# Altium PCB STM32.PcbDoc (part 1 of 2)
Units mil, origin at the board's own origin, x right, y up, seen from the top; angles counter-clockwise.
Board outline 4960.63 x 3937.01 mil, 2 copper layers (Top Layer, Bottom Layer); 105 components, 116 nets, 528 pads, 83 vias.
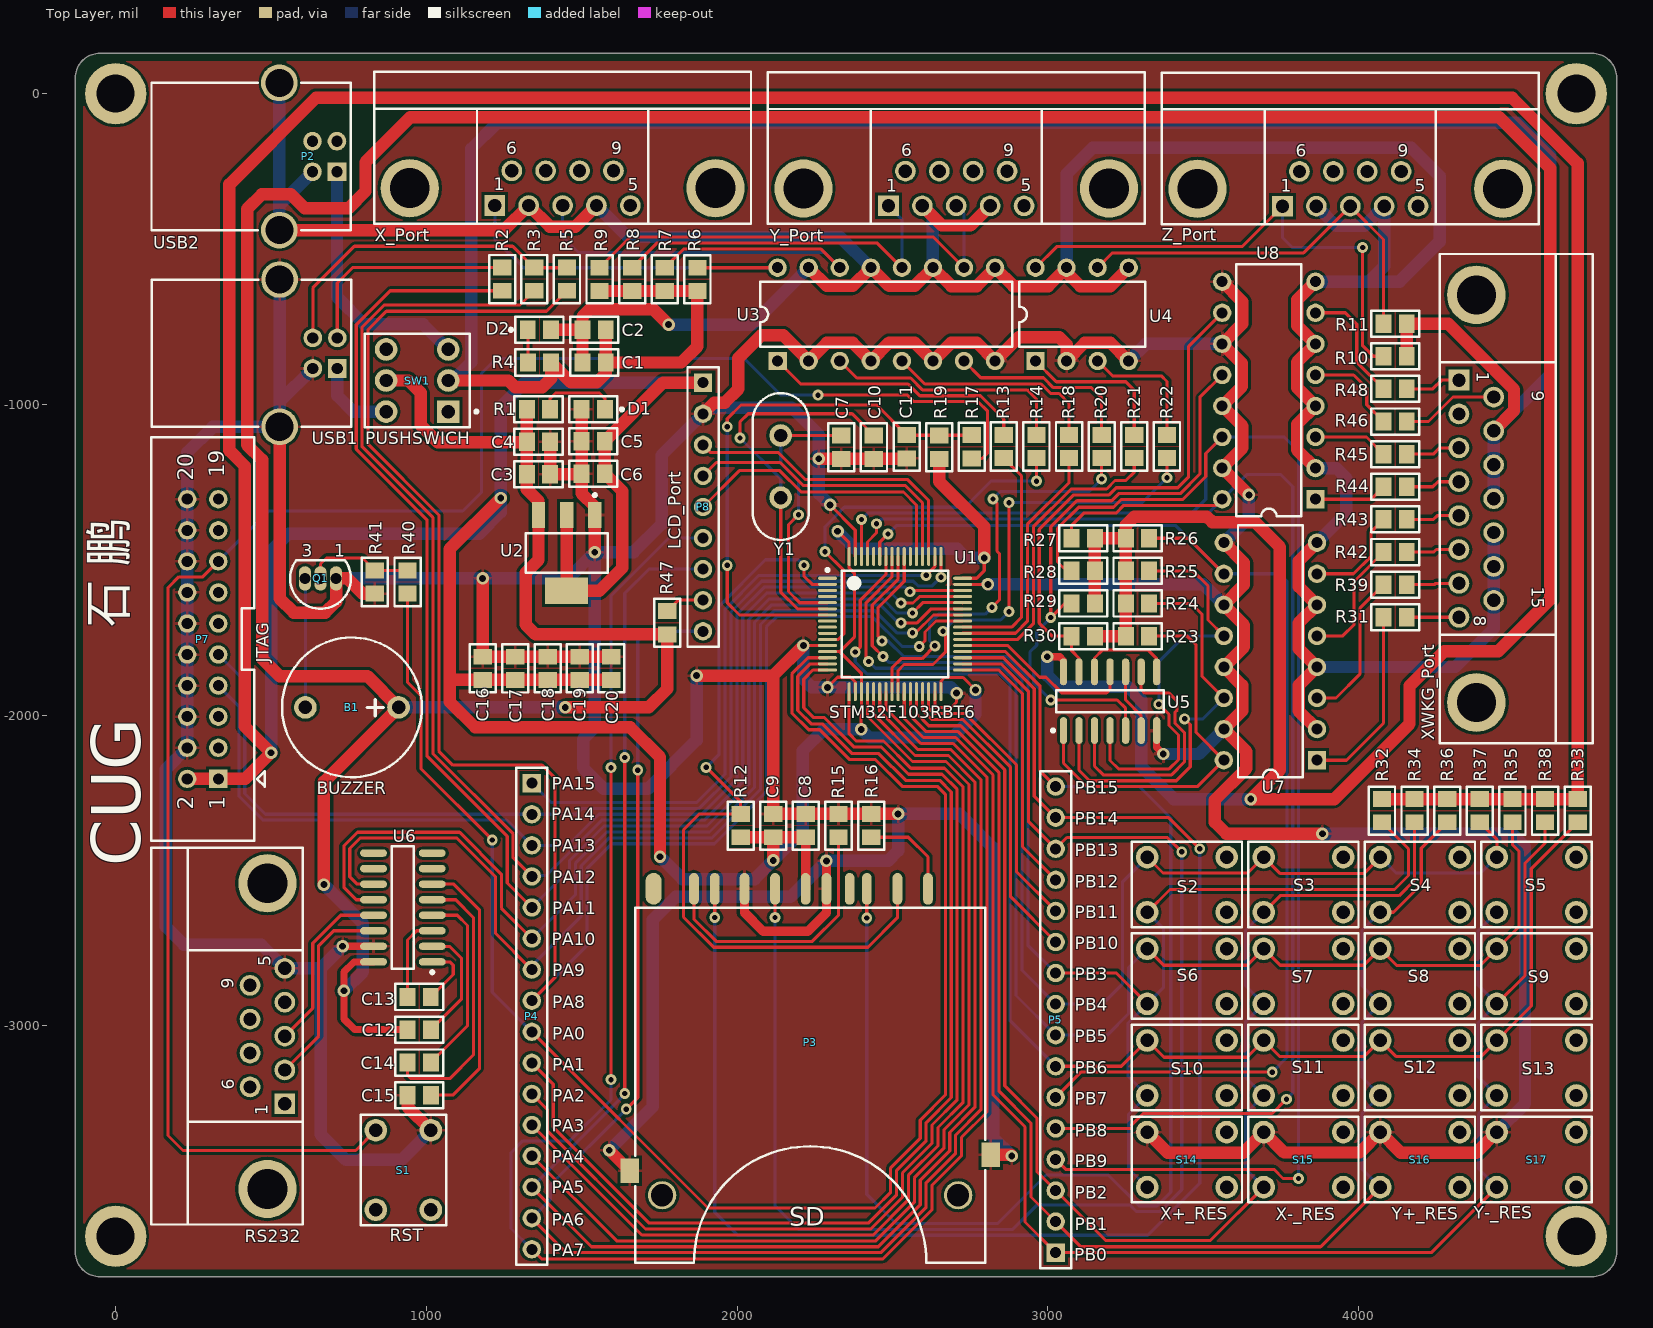
[diagram p0: Top Layer view]
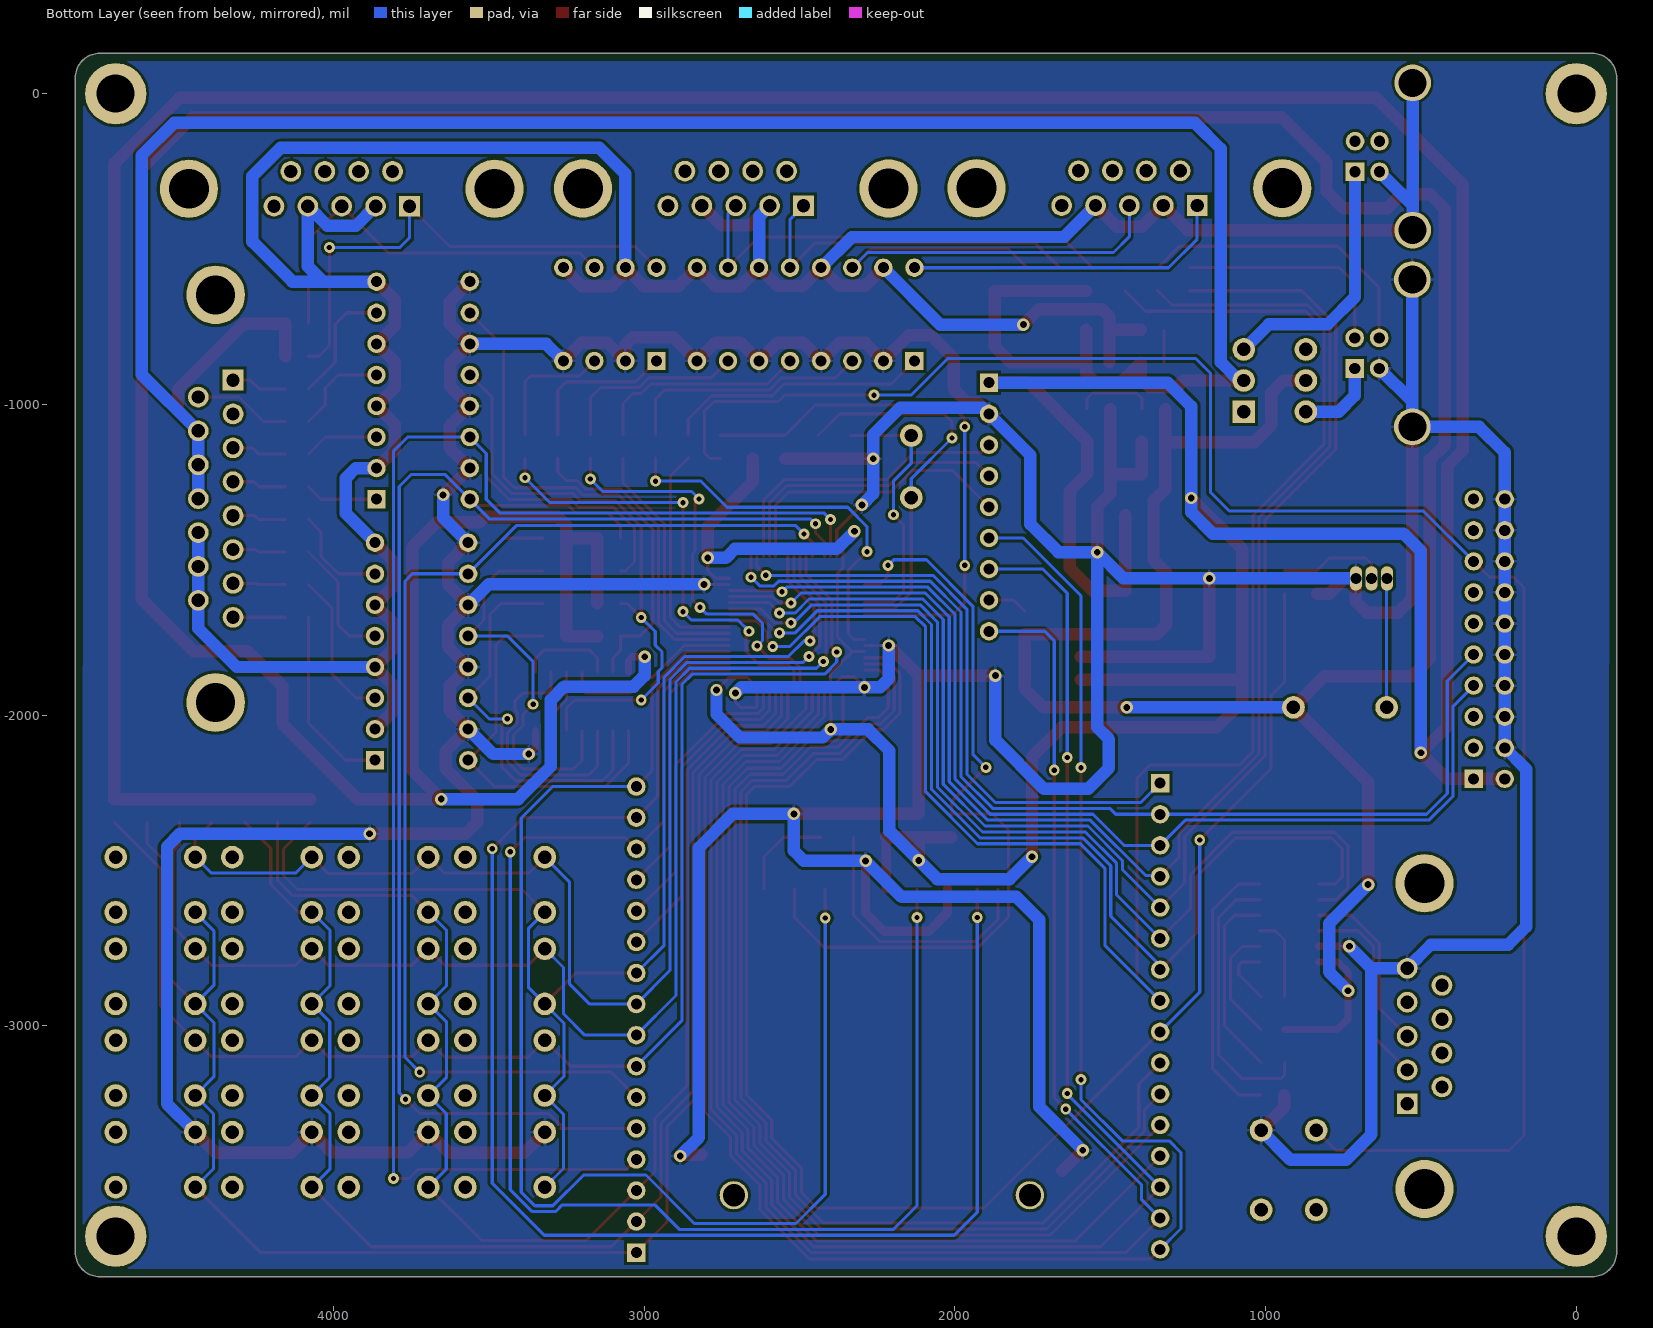
[diagram p1: Bottom Layer view, seen from below]

## Layer stack, top to bottom
Top Layer: signal copper 1.4
Dielectric: dielectric 12.6, FR-4, Dk 4.8
Bottom Layer: signal copper 1.4

## Board outline
-129.92,-3728.35 ccw(c-51.18,-3728.35) -51.18,-3807.09 4751.97,-3807.09 ccw(c4751.97,-3728.35) 4830.71,-3728.35 4830.71,51.18 ccw(c4751.97,51.18) 4751.97,129.92 -51.18,129.92 ccw(c-51.18,51.18) -129.92,51.18

## Design rules (kind name [scope] priority, off if disabled: settings)
Clearance Clearance_STM [(InComponent('U1'))] p1: gap=5
Clearance Clearance_Usual [All] p2: gap=9
ComponentClearance [All] p1: gap=10 collisioncheckmode=3 verticalgap=10
HoleSize [All] p1: absolutevalues=TRUE maxlimit=200 minlimit=1 maxpercent=80.000 minpercent=20.000
PolygonConnect [All] p1: connectstyle=Relief reliefconductorwidth=10 reliefentries=4 polygonreliefangle="90 Angle"
RoutingVias RoutingVias_Mechanical [InNet('No Net')] p1: holewidth=122.05 width=196.85 viastyle="Through Hole" minholewidth=122.05 minwidth=196.85 maxholewidth=122.05 maxwidth=196.85
RoutingVias RoutingVias_Power [InNetClass('Power')] p2: holewidth=22 width=40 viastyle="Through Hole" minholewidth=22 minwidth=40 maxholewidth=22 maxwidth=40
RoutingVias RoutingVias_Usual [All] p3: holewidth=17 width=35 viastyle="Through Hole" minholewidth=17 minwidth=35 maxholewidth=17 maxwidth=35
SolderMaskExpansion [All] p1: expansion=4
TestPointUsage FabricationTestPointUsage [All] p1: valid=0 allowmultiple=FALSE
Testpoint FabricationTestpoint [All] p1: side=3 testpointundercomponent=TRUE minsize=40 maxsize=100 preferedsize=60 minholesize=0 maxholesize=40 preferedholesize=32 testpointgrid=1 style=297 order=0-112345678
Width Width_USB1 [InNet('USB1')] p1: maxlimit=40 minlimit=40 preferedwidth=40
Width Width_USB2 [InNet('USB2')] p2: maxlimit=40 minlimit=40 preferedwidth=40
17 further rules are at their usual default settings.

## Classes and differential pairs
net class Power: 3.3V GND1 GND2 VCC1 VCC2

## Components (designator, comment, footprint, x,y, rotation, side; value= is the part's Value field where it differs from the comment)
B1 "BUZZER" BUZZER 910.26,-1975.08 r180 top
C1 "Cap" 0805 1502.26,-865.08 r0 top
C2 "Cap" 0805 1502.26,-760.08 r0 top
C3 "Cap" 0805 1398.26,-1225.08 r180 top
C4 "Cap" 0805 1398.26,-1120.08 r180 top
C5 "Cap" 0805 1499.26,-1118.08 r0 top
C6 "Cap" 0805 1499.26,-1223.08 r0 top
C7 "Cap" 0805 2335.26,-1175.08 r90 top
C8 "Cap" 0805 2221.26,-2318.08 r270 top
C9 "Cap" 0805 2116.26,-2318.08 r270 top
C10 "Cap" 0805 2440.26,-1175.08 r90 top
C11 "Cap" 0805 2546.26,-1173.88 r90 top
C12 "Cap" 0805 1014.26,-3012.08 r180 top
C13 "Cap" 0805 939.26,-2907.08 r0 top
C14 "Cap" 0805 1014.26,-3118.08 r180 top
C15 "Cap" 0805 1014.26,-3223.08 r180 top
C16 "Cap" 0805 1181,-1812 r270 top
C17 "Cap" 0805 1286,-1812.2 r270 top
C18 "Cap" 0805 1391,-1812 r270 top
C19 "Cap" 0805 1493,-1812 r270 top
C20 "Cap" 0805 1595,-1812 r270 top
D1 "LED0" 0805 1574.26,-1015.08 r180 top
D2 "LED0" 0805 1326.26,-760.08 r0 top
P2 "USB2" USB 115.26,34.92 r90 top
P3 "SD_CARD" SD_CARD 2614.26,-2559.08 r0 top
P4 "PA接口" HDR1X16 1339.26,-2219.08 r270 top
P5 "PB接口" HDR1X16 3025.26,-3730.08 r90 top
P7 "JTAG" JTAG 330.26,-2205.08 r90 top
P8 "LCD_Port" HDR1X9 1890.26,-930.08 r270 top
Q1 "2N3904" TO-92A 659.26,-1560.08 r90 top
R1 "" 0805 1323.26,-1015.08 r0 top
R2 "" 0805 1244.26,-634.08 r90 top
R3 "" 0805 1347.26,-634.08 r90 top
R4 "" 0805 1401.26,-865.08 r180 top
R5 "" 0805 1452.26,-634.08 r90 top
R6 "" 0805 1872.26,-634.88 r90 top
R7 "" 0805 1767.26,-634.88 r90 top
R8 "" 0805 1662.26,-634.88 r90 top
R9 "" 0805 1557.26,-634.88 r90 top
R10 "" 0805 4155.26,-845.08 r180 top
R11 "" 0805 4155.26,-740.08 r180 top
R12 "" 0805 2011.26,-2318.08 r270 top
R13 "" 0805 2858.26,-1098.08 r270 top
R14 "" 0805 2963.26,-1098.08 r270 top
R15 "" 0805 2326.26,-2318.08 r270 top
R16 "" 0805 2431.26,-2318.08 r270 top
R17 "" 0805 2755.26,-1099.08 r270 top
R18 "" 0805 3068.26,-1098.08 r270 top
R19 "" 0805 2650.26,-1175.08 r90 top
R20 "" 0805 3173.26,-1098.08 r270 top
R21 "" 0805 3278.26,-1098.08 r270 top
R22 "" 0805 3383.26,-1098.08 r270 top
R23 "" 0805 3251.26,-1745.65 r0 top
R24 "" 0805 3251.26,-1640.65 r0 top
R25 "" 0805 3251.26,-1535.65 r0 top
R26 "" 0805 3251.26,-1430.65 r0 top
R27 "" 0805 3151.26,-1430.65 r180 top
R28 "" 0805 3151.26,-1535.65 r180 top
R29 "" 0805 3151.26,-1640.65 r180 top
R30 "" 0805 3151.26,-1745.65 r180 top
R31 "" 0805 4080.46,-1685.08 r0 top
R32 "" 0805 4075.26,-2270.08 r270 top
R33 "" 0805 4705.26,-2270.08 r270 top
R34 "" 0805 4180.26,-2270.08 r270 top
R35 "" 0805 4495.26,-2270.08 r270 top
R36 "" 0805 4285.26,-2270.08 r270 top
R37 "" 0805 4390.26,-2270.08 r270 top
R38 "" 0805 4600.26,-2270.08 r270 top
R39 "" 0805 4080.46,-1580.08 r0 top
R40 "" 0805 939.26,-1609.08 r90 top
R41 "" 0805 834.26,-1609.08 r90 top
R42 "" 0805 4080.46,-1475.08 r0 top
R43 "" 0805 4080.46,-1370.08 r0 top
R44 "" 0805 4080.46,-1265.08 r0 top
R45 "" 0805 4080.46,-1160.08 r0 top
R46 "" 0805 4080.26,-1055.08 r0 top
R47 "" 0805 1775.26,-1740.08 r90 top
R48 "" 0805 4080.26,-950.08 r0 top
S1 "RST" SW-PB 1014.26,-3336.08 r270 top
S2 "SW-PB" SW-PB 3319.8,-2457.09 r0 top
S3 "SW-PB" SW-PB 3694.8,-2457.09 r0 top
S4 "SW-PB" SW-PB 4069.8,-2457.09 r0 top
S5 "SW-PB" SW-PB 4444.8,-2457.09 r0 top
S6 "SW-PB" SW-PB 3319.8,-2752.09 r0 top
S7 "SW-PB" SW-PB 3694.8,-2752.09 r0 top
S8 "SW-PB" SW-PB 4069.8,-2752.09 r0 top
S9 "SW-PB" SW-PB 4444.8,-2752.09 r0 top
S10 "SW-PB" SW-PB 3319.8,-3047.09 r0 top
S11 "SW-PB" SW-PB 3694.8,-3047.09 r0 top
S12 "SW-PB" SW-PB 4069.8,-3047.09 r0 top
S13 "SW-PB" SW-PB 4444.8,-3047.09 r0 top
S14 "X+_RES" SW-PB 3319.8,-3342.09 r0 top
S15 "X-_RES" SW-PB 3694.8,-3342.09 r0 top
S16 "Y+_RES" SW-PB 4069.8,-3342.09 r0 top
S17 "Y-_RES" SW-PB 4444.8,-3342.09 r0 top
SW1 "PUSHSWICH" DPDT-6 970.26,-923.08 r180 top
U1 "STM32F103RBT6" LQFP64_L 2508.26,-1707.08 r0 top
U2 "AMS1117-3.3" SOT223 1451.26,-1478.08 r180 top
U3 "TLP521-4" DIP-16 2480.26,-710.08 r0 top
U4 "TLP521-2" DIP-8 3110.26,-710.08 r0 top
U5 "SN74LS08D" D014_N 3200.26,-1955.08 r90 top
U6 "MAX232ACSE" NSO16_N 924.26,-2619.08 r180 top
U7 "TLP521-4" DIP-16 3716.26,-1795.08 r90 top
U8 "TLP521-4" DIP-16 3711.26,-955.08 r90 top
Y1 "XTAL" JZ 2140.26,-1100.08 r270 top

## Footprints (in the part's own frame and the unit in brackets; to place one, negate y for a bottom-side part, rotate by r counter-clockwise, add the part's x,y. Pads: shape width x height; smd on the part's side, far side on the other; paste and mask are expansions set on the pad)
0805 [mm]
  rect 1.3x1.5 smd: 1(0,0) 2(1.9,0)
  silkscreen extent -1.02,-1.07 2.92,1.07
BUZZER [mm]
  round 1.85 hole 1.1: 1(0,0) 2(7.62,0)
  silkscreen extent -1.91,-5.71 9.52,5.71
D014_N [mm]
  oval 2.2x0.6 smd: 1(-2.4,3.81) 2(-2.4,2.54) 3(-2.4,1.27) 4(-2.4,0) 5(-2.4,-1.27) 6(-2.4,-2.54) 7(-2.4,-3.81) 8(2.4,-3.81) 9(2.4,-2.54) 10(2.4,-1.27) 11(2.4,0) 12(2.4,1.27) 13(2.4,2.54) 14(2.4,3.81)
  silkscreen extent -2.52,-4.4 0.9,4.78
DIP-8 [mm] "DIP; 8 Leads; Row Spacing 7.62 mm; Pitch 2.54 mm"
  rect 1.5x1.5 hole 0.9: 1(-3.81,-3.81)
  round 1.5 hole 0.9: 2(-1.27,-3.81) 3(1.27,-3.81) 4(3.81,-3.81) 5(3.81,3.81) 6(1.27,3.81) 7(-1.27,3.81) 8(-3.81,3.81)
  silkscreen extent -5.15,-2.65 5.15,2.65
DIP-16 [mm] "DIP; 16 Leads; Row Spacing 7.62 mm; Pitch 2.54 mm"
  rect 1.5x1.5 hole 0.9: 1(-8.89,-3.81)
  round 1.5 hole 0.9: 2(-6.35,-3.81) 3(-3.81,-3.81) 4(-1.27,-3.81) 5(1.27,-3.81) 6(3.81,-3.81) 7(6.35,-3.81) 8(8.89,-3.81) 9(8.89,3.81) 10(6.35,3.81) 11(3.81,3.81) 12(1.27,3.81) 13(-1.27,3.81) 14(-3.81,3.81) 15(-6.35,3.81) 16(-8.89,3.81)
  silkscreen extent -10.3,-2.65 10.3,2.65
DPDT-6 [mm]
  rect 1.85x1.85 hole 1.1: 1(-2.54,2.54)
  round 1.85 hole 1.1: 2(-2.54,0) 3(-2.54,-2.54) 4(2.54,-2.54) 5(2.54,0) 6(2.54,2.54)
  silkscreen extent -4.96,-3.81 4.28,3.81
HDR1X9 [mm] "Connector; Header; 9 Position"
  rect 1.5x1.5 hole 0.9: 1(0,0)
  round 1.5 hole 0.9: 2(2.54,0) 3(5.08,0) 4(7.62,0) 5(10.16,0) 6(12.7,0) 7(15.24,0) 8(17.78,0) 9(20.32,0)
  silkscreen extent -1.27,-1.27 21.59,1.27
HDR1X16 [mm] "Connector; Header; 16 Position"
  rect 1.5x1.5 hole 0.9: 1(0,0)
  round 1.5 hole 0.9: 2(2.54,0) 3(5.08,0) 4(7.62,0) 5(10.16,0) 6(12.7,0) 7(15.24,0) 8(17.78,0) 9(20.32,0) 10(22.86,0) 11(25.4,0) 12(27.94,0) 13(30.48,0) 14(33.02,0) 15(35.56,0) 16(38.1,0)
  silkscreen extent -1.27,-1.27 39.37,1.27
JTAG [mm]
  rect 1.5x1.5 hole 0.9: 1(0,0)
  round 1.5 hole 0.9: 2(0,2.54) 3(2.54,0) 4(2.54,2.54) 5(5.08,0) 6(5.08,2.54) 7(7.62,0) 8(7.62,2.54) 9(10.16,0) 10(10.16,2.54) 11(12.7,0) 12(12.7,2.54) 13(15.24,0) 14(15.24,2.54) 15(17.78,0) 16(17.78,2.54) 17(20.32,0) 18(20.32,2.54) 19(22.86,0) 20(22.86,2.54)
  silkscreen extent -5.07,-3.81 27.93,5.47
JZ [mm]
  round 1.85 hole 1.1: 1(0,0) 2(5.08,0)
  silkscreen extent -3.46,-2.3 8.54,2.3
LQFP64_L [mm]
  oval 1.55x0.25 smd: 1(-5.525,3.75) 2(-5.525,3.25) 3(-5.525,2.75) 4(-5.525,2.25) 5(-5.525,1.75) 6(-5.525,1.25) 7(-5.525,0.75) 8(-5.525,0.25) 9(-5.525,-0.25) 10(-5.525,-0.75) 11(-5.525,-1.25) 12(-5.525,-1.75) 13(-5.525,-2.25) 14(-5.525,-2.75) 15(-5.525,-3.25) 16(-5.525,-3.75) 33(5.525,-3.75) 34(5.525,-3.25) 35(5.525,-2.75) 36(5.525,-2.25) 37(5.525,-1.75) 38(5.525,-1.25) 39(5.525,-0.75) 40(5.525,-0.25) 41(5.525,0.25) 42(5.525,0.75) 43(5.525,1.25) 44(5.525,1.75) 45(5.525,2.25) 46(5.525,2.75) 47(5.525,3.25) 48(5.525,3.75)
  oval 0.25x1.55 smd: 17(-3.75,-5.525) 18(-3.25,-5.525) 19(-2.75,-5.525) 20(-2.25,-5.525) 21(-1.75,-5.525) 22(-1.25,-5.525) 23(-0.75,-5.525) 24(-0.25,-5.525) 25(0.25,-5.525) 26(0.75,-5.525) 27(1.25,-5.525) 28(1.75,-5.525) 29(2.25,-5.525) 30(2.75,-5.525) 31(3.25,-5.525) 32(3.75,-5.525) 49(3.75,5.525) 50(3.25,5.525) 51(2.75,5.525) 52(2.25,5.525) 53(1.75,5.525) 54(1.25,5.525) 55(0.75,5.525) 56(0.25,5.525) 57(-0.25,5.525) 58(-0.75,5.525) 59(-1.25,5.525) 60(-1.75,5.525) 61(-2.25,5.525) 62(-2.75,5.525) 63(-3.25,5.525) 64(-3.75,5.525)
  silkscreen extent -5.65,-4.35 4.35,4.55
NSO16_N [mm]
  oval 2.2x0.6 smd: 1(-2.4,4.445) 2(-2.4,3.175) 3(-2.4,1.905) 4(-2.4,0.635) 5(-2.4,-0.635) 6(-2.4,-1.905) 7(-2.4,-3.175) 8(-2.4,-4.445) 9(2.4,-4.445) 10(2.4,-3.175) 11(2.4,-1.905) 12(2.4,-0.635) 13(2.4,0.635) 14(2.4,1.905) 15(2.4,3.175) 16(2.4,4.445)
  silkscreen extent -2.53,-5 0.9,5.42
SD_CARD [mm]
  oval 0.8x2.6 smd: 1(0,0) 2(-2.5,0) 3(-5,0) 4(-6.4,0) 5(-8.3,0) 6(-10,0) 7(-12.5,0) 8(-15,0) 9(-17.43,0) 10(-19.13,0)
  oval 1.3x2.6 smd: 11(-22.43,0)
  rect 1.5x2 smd: 12(-24.38,-23.048) 13(5.12,-21.748)
  round 2.308 hole 1.8: 14(-21.73,-25.048) 15(2.47,-25.048)
  silkscreen extent -23.93,-30.55 4.67,-1.55
SOT223 [mm]
  rect 1.1x2.15 smd: 1(-2.3,-3.1) 2(0,-3.1) 3(2.3,-3.1)
  rect 3.5x2.15 smd: 4(0,3.1)
  silkscreen extent -3.35,-4.85 3.35,1.63
SW-PB [mm]
  round 1.85 hole 1.1: 1(0,0) 2(0,-4.5) 3(6.5,-4.5) 4(6.5,0)
  silkscreen extent -1.27,-5.71 7.75,1.27
TO-92A [mm] "TO, Flat Index; 3 In-Line, Axial Leads; Body Dia. 4.5mm; Leads 0.51 x 0.48 mm (max)"
  oval 2x1 hole 0.9: 1(0,-1.27) 2(0,0) 3(0,1.27)
  silkscreen extent -2.48,-2.48 1.5,2.48
USB [mm]
  rect 1.524x1.524 hole 0.92: 1(-7.27,-15.16)
  round 1.524 hole 0.92: 2(-4.77,-15.16) 3(-4.77,-13.16) 4(-7.27,-13.16)
  round 3 hole 2.3: 5(-12.04,-10.45) 6(0,-10.45)
  silkscreen extent -12.04,-16.3 0,0

## Part data
B1: "Buzzer"
C1 C2 C3 C4 C5 C6 C7 C8 C9 C10 C11 C12 C13 C14 C15 C16 C17 C18 C19 C20: "Capacitor"
D1 D2: "Typical INFRARED GaAs LED"
P2: library part USB
P4 P5: library part "Header 16", "Header, 16-Pin"
P7: library part "Header 10X2", "Header, 10-Pin, Dual row"
P8: library part "Header 9", "Header, 9-Pin"
Q1: "NPN General Purpose Amplifier"
R1 R2 R3 R4 R5 R6 R7 R8 R9 R10 R11 R12 R13 R14 R15 R16 R17 R18 R19 R20 R21 R22 R23 R24 R25 R26 R27 R28 R29 R30 R31 R32 R33 R34 R35 R36 R37 R38 R39 R40 R41 R42 R43 R44 R45 R46 R47 R48: library part "Res Semi", "Semiconductor Resistor"
S1 S14 S15 S16 S17: library part SW-PB, "Switch"
S2 S3 S4 S5 S6 S7 S8 S9 S10 S11 S12 S13: "Switch"
U5: "Quadruple 2-Input Positive-AND Gate"
U6: "+5V Powered, Multi-Channel RS-232 Driver/Receiver"
Y1: "Crystal Oscillator"

## Free pads (board coordinates)
  round 196.85 hole 122.05: 0(0,-3677.17) 0(0,0) 0(4700.79,-3677.17) 0(4700.79,0)
  rect 66.54x66.54 hole 42.91: 1(544.17,-3251.12) 1(1220.22,-359.98) 1(2487.08,-360.98) 1(3755.22,-361.98) 1(4323.26,-921.69)
  rect 60x60 hole 36.22: 1(713.11,-884.3)
  round 66.54 hole 42.91: 2(544.17,-3142.06) 2(1329.28,-359.98) 2(2596.14,-360.98) 2(3864.28,-361.98) 3(544.17,-3033.01) 3(1438.33,-359.98) 3(2705.19,-360.98) 3(3973.33,-361.98) 4(544.17,-2923.95) 4(1547.39,-359.98) 4(2814.25,-360.98) 4(4082.39,-361.98) 5(544.17,-2814.9) 5(1656.44,-359.98) 5(2923.3,-360.98) 5(4191.44,-361.98) 6(432.36,-3196.59) 6(1274.75,-248.17) 6(2541.61,-249.17) 6(3809.75,-250.17) 7(432.36,-3087.54) 7(1383.81,-248.17) 7(2650.67,-249.17) 7(3918.81,-250.17) 8(432.36,-2978.48) 8(1492.86,-248.17) 8(2759.72,-249.17) 8(4027.86,-250.17) 9(432.36,-2869.43) 9(1601.92,-248.17) 9(2868.78,-249.17) 9(4136.92,-250.17)
  round 60 hole 36.22: 2(713.11,-785.87) 3(634.37,-785.87) 4(634.37,-884.3)
  round 66.53 hole 42.91: 2(4323.26,-1030.75) 3(4323.26,-1139.8) 4(4323.26,-1248.86) 5(4323.26,-1357.91) 6(4323.26,-1466.97) 7(4323.26,-1576.02) 8(4323.26,-1685.08) 9(4435.07,-976.22) 10(4435.07,-1085.28) 11(4435.07,-1194.33) 12(4435.07,-1303.39) 13(4435.07,-1412.44) 14(4435.07,-1521.5) 15(4435.07,-1630.55)
  round 118.11 hole 90.55: 5(527.68,-1072.09) 6(527.68,-598.08)
  round 187.4 hole 128.35: 10(488.26,-3524.94) 10(946.41,-304.08) 10(2213.26,-305.08) 10(3481.41,-306.08) 11(488.26,-2541.08) 11(1930.26,-304.08) 11(3197.12,-305.08) 11(4465.26,-306.08)
  round 188.98 hole 125.2: 16(4379.17,-647.48) 17(4379.17,-1959.29)

## Via types
v1: diameter 35, hole 17, Top Layer to Bottom Layer, 52 vias
v2: diameter 40, hole 22, Top Layer to Bottom Layer, 31 vias

## Nets (pads, with @x,y where several pads share a name; then routed paths per layer and width w, separated by ;. In a path a pad name is that pad's centre, name@x,y a point inside that pad or via, vN(x,y) a via of type N, cw(c..) or ccw(c..) an arc to the next point about the centre after c; other vN are vias at no path point)
3: U5.3 U5.9 | length 832.1
  Top Layer w10: U5.3@3150.26,-2049.57 3150.26,-2164.08 3178.26,-2192.08 3398.26,-2192.08 3439.26,-2151.08 3439.26,-2056.08 3408.73,-2025.55 3408.73,-1991.42 3416.26,-1983.89 3416.26,-1955.08 3390.26,-1929.08 3312.26,-1929.08 3300.26,-1917.08 U5.9@3300.26,-1860.59
3.3V: C5.2 C6.2 C8.2 C9.2 C16.2 C17.2 C18.2 C19.2 C20.2 P3.6 P7.1 P7.2 P8.1 R12.2 R19.1 R32.1 R33.1 R34.1 R35.1 R36.1 R37.1 R38.1 U1.13 U1.19 U1.32 U1.48 U1.64 U2.2 U2.4 | length 19351.3
  Top Layer w10: C8.2@2219.86,-2392.88 C8.2@2220.56,-2393.58 ; U1.13@2290.74,-1795.66 2330.59,-1795.66 ; v2(2323.51,-1408.33) 2360.63,-1445.44 2360.63,-1526.36 2377.26,-1543 2377.26,-1748.98 2330.59,-1795.66 ; v2(2399.26,-2046.08) 2399.76,-1924.6 2400,-1865.07 2330.59,-1795.66 ; U1.32@2655.9,-1924.6 2655.9,-1890.7 2667.52,-1879.08 2727.26,-1879.08 v2(2767.26,-1919.08) ; U1.48@2725.78,-1559.44 2770.9,-1559.44 2795.26,-1535.08 v2(2795.26,-1494.08)
  Top Layer w30: P3.6@2220.56,-2559.08 C8.2@2220.56,-2393.58
  Top Layer w40: P7.2@230.26,-2205.08 416.26,-2205.08 v2(500.26,-2121.08) 415.26,-2036.08 415.26,-1198.26 366,-1149 366,-291.68 644.68,-13 4494,-13 4705.26,-224.26 R33.1@4705.26,-2270.08 R32.1@4075.26,-2270.08 ; 1076.19,-1886.8 C20.2@1595,-1886.8 ; v2(1239.26,-1301.08) 1074.99,-1465.35 1074.99,-1956.99 1157.08,-2039.08 1655.76,-2039.08 1751.76,-2135.08 v2(1751.76,-2455.58) ; U2.2@1451.26,-1356.03 1451.26,-1497.08 U2.4@1451.26,-1600.13 1556.22,-1600.13 1630.26,-1526.08 1630.26,-1279.28 C6.2@1574.07,-1223.08 C5.2@1574.07,-1118.08 1762.07,-930.08 P8.1@1890.26,-930.08 ; R12.2@2011.96,-2393.58 C8.2@2220.56,-2393.58 ; v2(2116.26,-2467.58) C9.2@2116.26,-2392.88 ; R19.1@2650.26,-1175.08 2650.26,-1248.08 2795.26,-1393.08 v2(2795.26,-1494.08)
  Bottom Layer w40: v2(500.26,-2121.08) 500.26,-1471.58 556.26,-1415.58 1170.26,-1415.58 1239.26,-1346.58 1239.26,-1006.08 1315.26,-930.08 P8.1@1890.26,-930.08 ; v2(1751.76,-2455.58) 1823.76,-2527.58 2056.26,-2527.58 2210.76,-2373.08 2210.76,-2114.58 2279.26,-2046.08 v2(2399.26,-2046.08) 2425.26,-2072.08 2692.26,-2072.08 2767.26,-1997.08 v2(2767.26,-1919.08) ; v2(2323.51,-1408.33) 2379.76,-1464.58 2707.76,-1464.58 2737.26,-1494.08 v2(2795.26,-1494.08)
6: U5.6 U5.10 | length 209.7
  Top Layer w10: U5.10@3250.26,-1860.59 3250.26,-1951.51 3300.26,-2001.51 U5.6@3300.26,-2049.57
8: U5.8 U5.12 | length 309.6
  Top Layer w10: U5.12@3150.26,-1860.59 3150.26,-1816.08 3176.55,-1789.79 3321.97,-1789.79 3350.26,-1818.08 U5.8@3350.26,-1860.59
BUZ: P4.9 R40.1 U1.14 | length 5204.4
  Top Layer w10: R40.1@939.26,-1609.08 939.26,-1894.26 982,-1937 982,-2171.82 v1(1211.76,-2401.58) ; P4.9@1339.26,-3019.08 1906.26,-3586.08 2443.92,-3586.08 2494,-3536 2494,-3457 2589.26,-3361.74 2589.26,-3303.6 2670.26,-3222.6 2670.26,-2255.08 2644.26,-2229.08 2531.26,-2229.08 2445.26,-2143.08 2362.26,-2143.08 2266.26,-2047.08 2230.26,-2047.08 2176.26,-1993.08 2176.26,-1867.08 2228,-1815.35 U1.14@2290.74,-1815.35
  Bottom Layer w10: v1(1211.76,-2401.58) 1211.76,-2891.58 P4.9@1339.26,-3019.08
D/C: P8.5 U1.53 | length 946.9
  Top Layer w10: P8.5@1890.26,-1330.08 2007.26,-1213.08 2137.26,-1213.08 2206.26,-1282.08 2535.26,-1282.08 2577.16,-1323.98 U1.53@2577.16,-1489.56
GND: 
GND1: C3.1 C4.1 C5.1 C6.1 C7.1 C8.1 C9.1 C10.1 C11.1 C15.2 C16.1 C17.1 C18.1 C19.1 C20.1 D1.2 P3.5 P3.8 P3.12 P3.13 P7.4 P7.6 P7.8 P7.10 P7.12 P7.14 P7.16 P7.18 P7.20 P8.2 pad.4@634.37,-884.3 pad.5@527.68,-1072.09 pad.5@544.17,-2814.9 pad.6@527.68,-598.08 Q1.1 R15.1 R16.1 R41.1 S1.1 S14.1 S15.1 S16.1 S17.1 U1.12 U1.18 U1.31 U1.47 U1.63 U2.1 U3.2 U3.4 U3.6 U3.8 U4.2 U4.4 U5.7 U6.15 U7.9 U7.11 U7.13 U7.15 U8.9 U8.11 U8.13 U8.15 | length 25703
  Top Layer w10: v2(2213.26,-1775.98) U1.12@2290.74,-1775.98 ; v2(2290.76,-1910.58) 2323.26,-1878.08 2365,-1878.08 2380.31,-1893.39 U1.18@2380.31,-1924.6 ; v2(2299.26,-1323.58) 2380.31,-1404.63 U1.63@2380.31,-1489.56 ; U1.31@2636.22,-1924.6 2636.22,-1970.03 2642.26,-1976.08 2688.26,-1976.08 2706.26,-1958.08 v2(2706.26,-1929.08) ; U1.47@2725.78,-1579.13 v2(2807.26,-1579.13)
  Top Layer w23: v2(730.26,-2744.08) U6.15@829.78,-2744.08 ; U5.7@3350.26,-2049.57 3350.26,-2104.08 v2(3371.26,-2125.08)
  Top Layer w30: P3.8@2023.71,-2559.08 2023.71,-2635.53 2084.26,-2696.08 2227.26,-2696.08 2287.49,-2635.85 v2(2287.49,-2469.08)
  Top Layer w40: pad.5@527.68,-1072.09 527.68,-1624.5 573.26,-1670.08 674.26,-1670.08 709.26,-1635.08 Q1.1@709.26,-1560.08 745.76,-1560.08 794.76,-1609.08 R41.1@834.26,-1609.08 ; C15.2@939.46,-3223.08 939.46,-3261.28 S1.1@1014.26,-3336.08 ; v2(1181,-1560.08) C16.1@1181,-1812 C20.1@1595,-1812 ; C4.1@1398.26,-1120.08 C3.1@1398.26,-1225.08 ; C3.1@1400.26,-1223.08 C3.1@1398.26,-1225.08 ; C6.1@1499.46,-1222.88 1497.26,-1225.08 C3.1@1398.26,-1225.08 ; D1.2@1499.46,-1015.08 1499.46,-1286.28 1541.81,-1328.63 v2(1541.81,-1475.58) ; v2(1588.39,-3400.45) P3.12@1654.42,-3466.48 ; v2(1869.76,-1872.98) 2116.26,-1872.98 ; P8.2@1890.26,-1030.08 1926.26,-994.08 1960.26,-994.08 2004.26,-950.08 2004.26,-851.08 2078.26,-777.08 2148.26,-777.08 U3.2@2230.26,-859.08 ; v2(2213.26,-1775.98) 2116.26,-1872.98 ; U3.2@2230.26,-860.08 2288.86,-801.48 2371.67,-801.48 U3.4@2430.26,-860.08 2489.26,-801.08 2571.26,-801.08 U3.6@2630.26,-860.08 2689.26,-801.08 2771.26,-801.08 U3.8@2830.26,-860.08 2906.26,-784.08 3037.26,-784.08 3060.26,-807.08 U4.2@3060.26,-860.08 3118.81,-801.54 3201.72,-801.54 U4.4@3260.26,-860.08 ; v2(2262.76,-1175.08) C11.1@2545.26,-1175.08 ; v2(2518.26,-2318.08) C9.1@2116.26,-2318.08 2116.26,-1872.98 ; P3.13@2815.84,-3415.3 2880.3,-3415.3 v2(2884,-3419) ; S14.1@3319.8,-3342.09 3385.8,-3408.09 3628.8,-3408.09 S15.1@3694.8,-3342.09 3760.3,-3407.59 4004.3,-3407.59 S16.1@4069.8,-3342.09 4135.62,-3407.9 4378.99,-3407.9 S17.1@4444.8,-3342.09 ; U8.9@3561.26,-605.08 3626.26,-670.08 3626.26,-740.08 U8.11@3561.26,-805.08 3624.26,-868.08 3624.26,-942.08 U8.13@3561.26,-1005.08 3626.26,-1070.08 3626.26,-1140.08 U8.15@3561.26,-1205.08 v2(3647.26,-1291.08) ; U7.9@3566.26,-1445.08 3631.26,-1510.08 3631.26,-1580.08 U7.11@3566.26,-1645.08 3631.26,-1710.08 3631.26,-1780.08 U7.13@3566.26,-1845.08 3625.26,-1904.08 3625.26,-1986.08 U7.15@3566.26,-2045.08 3638.76,-2117.58 3638.76,-2171.58 3537.26,-2273.08 3537.26,-2344.58 3574.26,-2381.58 v2(3883.76,-2381.58)
  Bottom Layer w40: 527.68,-990.99 pad.4@634.37,-884.3 ; pad.6@527.68,-598.08 pad.5@527.68,-1072.09 312.64,-1072.09 230.26,-1154.47 P7.4@230.26,-2105.08 161.26,-2174.08 161.26,-2681.08 219.26,-2739.08 468.35,-2739.08 pad.5@544.17,-2814.9 659.44,-2814.9 ; Q1.1@709.26,-1560.08 1457.31,-1560.08 v2(1541.81,-1475.58) ; v2(730.26,-2744.08) 659.44,-2814.9 ; S1.1@1014.26,-3336.08 919.26,-3431.08 741.26,-3431.08 659.44,-3349.26 659.44,-2814.9 ; v2(1588.39,-3400.45) 1727.76,-3261.08 1727.76,-2659.08 1801.76,-2585.08 2171.49,-2585.08 v2(2287.49,-2469.08) 2485.76,-2469.08 2518.26,-2436.58 v2(2518.26,-2318.08) 2715.34,-2318.08 2824,-2426.74 2824,-3359 v2(2884,-3419) ; v2(1869.76,-1872.98) 1869.76,-2080.58 1713.26,-2237.08 1571.26,-2237.08 1504.26,-2170.08 1504.26,-2077.08 1541.81,-2039.53 v2(1541.81,-1475.58) ; v2(2213.26,-1775.98) 2213.26,-1883.08 2240.76,-1910.58 2687.76,-1910.58 v2(2706.26,-1929.08) ; v2(2299.26,-1323.58) 2262.76,-1287.08 2262.76,-1097.03 2175.81,-1010.08 1910.26,-1010.08 1756.76,-1163.58 1756.76,-1385.58 1666.76,-1475.58 v2(1541.81,-1475.58) ; v2(2807.26,-1579.13) 3500.31,-1579.13 U7.11@3566.26,-1645.08 ; U4.4@3260.26,-860.08 3315.26,-805.08 U8.11@3561.26,-805.08 ; v2(3371.26,-2125.08) 3486.26,-2125.08 U7.15@3566.26,-2045.08 ; U7.9@3566.26,-1445.08 3647.26,-1364.08 v2(3647.26,-1291.08) ; v2(3883.76,-2381.58) 4493.8,-2381.58 4535.8,-2423.59 4535.8,-3251.09 S17.1@4444.8,-3342.09
GND2: C1.1 C2.1 D2.2 P2.4 P2.5 P2.6 pad.2@1329.28,-359.98 pad.2@2596.14,-360.98 pad.2@3864.28,-361.98 pad.4@1547.39,-359.98 pad.4@2814.25,-360.98 pad.4@4082.39,-361.98 pad.13 pad.14 pad.15 U3.9 U3.11 U3.13 U3.15 U4.5 U4.7 U7.2 U7.4 U7.6 U7.8 U8.2 U8.4 U8.6 U8.8 | length 11137.2
  Top Layer w40: P2.5@526.68,-439.09 1250.17,-439.09 pad.2@1329.28,-359.98 1397.37,-428.08 1479.3,-428.08 pad.4@1547.39,-359.98 ; D2.2@1401.07,-760.08 C2.1@1502.26,-760.08 ; C1.1@1502.26,-865.08 1502.26,-717.08 1526.26,-693.08 1729.26,-693.08 v2(1779.26,-743.08) ; U3.15@2230.26,-560.08 2288.86,-618.67 2371.67,-618.67 U3.13@2430.26,-560.08 2488.98,-618.8 2571.54,-618.8 U3.11@2630.26,-560.08 2689.26,-619.08 2771.26,-619.08 U3.9@2830.26,-560.08 2889.26,-619.08 3001.26,-619.08 U4.7@3060.26,-560.08 3060.26,-575.08 3104.26,-619.08 3201.26,-619.08 U4.5@3260.26,-560.08 ; pad.2@2596.14,-360.98 2659.23,-424.08 2751.15,-424.08 pad.4@2814.25,-360.98 ; U8.2@3861.26,-1205.08 3802.42,-1146.23 3802.42,-1063.92 U8.4@3861.26,-1005.08 3802.26,-946.08 3802.26,-864.08 U8.6@3861.26,-805.08 3802.54,-746.36 3802.54,-663.8 U8.8@3861.26,-605.08 ; U7.2@3866.26,-2045.08 3807.31,-1986.13 3807.31,-1904.03 U7.4@3866.26,-1845.08 3807.26,-1786.08 3807.26,-1704.08 U7.6@3866.26,-1645.08 3807.47,-1586.29 3807.47,-1503.87 U7.8@3866.26,-1445.08
  Bottom Layer w40: P2.5@492.28,-442.09 P2.5@524.68,-442.09 ; P2.5@526.68,-439.09 P2.6@526.68,34.92 ; 526.68,-357.99 P2.4@633.37,-251.3 ; pad.4@1547.39,-359.98 1648.48,-461.08 2331.26,-461.08 U3.13@2430.26,-560.08 ; v2(1779.26,-743.08) 2047.26,-743.08 U3.15@2230.26,-560.08 ; pad.2@2596.14,-360.98 2630.26,-395.11 U3.11@2630.26,-560.08 ; U4.7@3060.26,-560.08 3060.26,-258.08 3144.26,-174.08 4170.26,-174.08 4261.06,-264.87 4261.06,-476.28 4132.26,-605.08 U8.8@3861.26,-605.08 ; U8.2@3861.26,-1205.08 3928.26,-1205.08 3960.26,-1237.08 3960.26,-1351.08 U7.8@3866.26,-1445.08 ; pad.2@3864.28,-361.98 3927.37,-425.08 4019.3,-425.08 pad.4@4082.39,-361.98 4082.39,-555.95 4033.26,-605.08 ; U7.4@3866.26,-1845.08 4311.26,-1845.08 4435.07,-1721.27 pad.13@4435.07,-1412.44
INT0: U1.37 U5.11 | length 598.5
  Top Layer w10: U1.37@2725.78,-1775.98 2871.16,-1775.98 2973.26,-1878.08 2994.26,-1878.08 3044.26,-1928.08 3189.26,-1928.08 3200.26,-1917.08 U5.11@3200.26,-1860.59
MCU_RST: P7.15 R17.2 S1.2 | length 5909.1
  Top Layer w10: P7.15@330.26,-1505.08 280.26,-1555.08 203.26,-1555.08 168.26,-1590.08 168.26,-3352.98 216.36,-3401.08 772.1,-3401.08 S1.2@837.1,-3336.08 ; v1(2260.26,-970.08) 2548.26,-970.08 2569.26,-991.08 2775.26,-991.08 2806.26,-1022.08 2806.26,-1156.08 2788.46,-1173.88 R17.2@2755.26,-1173.88
  Bottom Layer w10: P7.15@330.26,-1505.08 492.26,-1343.08 1116.76,-1343.08 1177.26,-1282.58 1177.26,-900.08 1225.26,-852.08 2023.26,-852.08 2141.26,-970.08 v1(2260.26,-970.08)
NetB1_2: B1.2 Q1.3 | length 414
  Bottom Layer w10: B1.2@610.26,-1975.08 Q1.3@610.26,-1561.08
NetC11_2: C11.2 R17.1 R19.2 U1.7 | length 1776.2
  Top Layer w10: v1(1968.26,-1518.08) 1968.26,-1638.08 2007.74,-1677.55 U1.7@2290.74,-1677.55 ; v1(1968.26,-1072.08) 1968.26,-1046.08 2012.26,-1002.08 2449.26,-1002.08 C11.2@2546.26,-1099.08 R17.1@2755.26,-1099.08
  Bottom Layer w10: v1(1968.26,-1518.08) v1(1968.26,-1072.08)
NetC12_1: C12.1 U6.2 | length 380.7
  Top Layer w10: C12.1@1014.26,-3012.08 1113.26,-2913.08 1113.26,-2783.08 1074.26,-2744.08 U6.2@1018.75,-2744.08
NetC13_1: C13.1 U6.3 | length 275.2
  Top Layer w10: C13.1@939.26,-2907.08 939.26,-2723.51 968.7,-2694.08 U6.3@1018.75,-2694.08
NetC13_2: C13.2 U6.1 | length 204
  Top Layer w10: C13.2@1014.07,-2907.08 1086.26,-2834.88 1086.26,-2805.08 1075.26,-2794.08 U6.1@1018.75,-2794.08
NetC14_1: C14.1 U6.4 | length 617.1
  Top Layer w10: C14.1@1014.26,-3118.08 1132.26,-3000.08 1132.26,-2677.08 1099.26,-2644.08 U6.4@1018.75,-2644.08
NetC14_2: C14.2 U6.5 | length 888.1
  Top Layer w10: C14.2@939.46,-3118.08 939.46,-3159.28 950.26,-3170.08 1075.26,-3170.08 1151.26,-3094.08 1151.26,-2651.08 1094.26,-2594.08 U6.5@1018.75,-2594.08
NetC15_1: C15.1 U6.6 | length 888.7
  Top Layer w10: C15.1@1014.26,-3223.08 1085.26,-3223.08 1170.26,-3138.08 1170.26,-2626.08 1088.26,-2544.08 U6.6@1018.75,-2544.08
NetD1_1: D1.1 R1.2 | length 259.2
  Top Layer w10: R1.2@1398.07,-1015.08 1398.07,-980.28 1415.26,-963.08 1557.26,-963.08 1574.26,-980.08 D1.1@1574.26,-1014.08
NetD2_1: D2.1 R4.2 | length 104.8
  Top Layer w10: R4.2@1326.46,-865.08 D2.1@1326.46,-760.28
NetJ4_2: pad.2@544.17,-3142.06 U6.14 | length 641.6
  Top Layer w10: pad.2@544.17,-3142.06 653.26,-3032.97 653.26,-2742.08 701.26,-2694.08 U6.14@829.78,-2694.08
NetJ4_3: pad.3@544.17,-3033.01 U6.13 | length 569
  Top Layer w10: pad.3@544.17,-3033.01 634.26,-2942.91 634.26,-2734.08 724.26,-2644.08 U6.13@829.78,-2644.08
NetP1_2: pad.2@713.11,-785.87 R2.2 | length 728.5
  Top Layer w10: pad.2@713.11,-785.87 713.11,-609.23 763.07,-559.28 R2.2@1244.26,-559.28
NetP1_3: pad.3@634.37,-785.87 R3.2 R5.2 | length 1062.2
  Top Layer w10: pad.3@634.37,-785.87 634.37,-624.97 768.26,-491.08 1277.46,-491.08 1346.46,-560.08 R3.2@1346.26,-560.08 ; R3.2@1347.26,-560.08 R5.2@1452.26,-560.08
NetP3_1: P3.1 R16.2 | length 312.2
  Top Layer w10: R16.2@2431.26,-2392.88 2551.07,-2392.88 2614.26,-2456.08 P3.1@2614.26,-2559.08
NetP3_10: P3.10 R15.2 | length 878.5
  Top Layer w10: P3.10@1861.11,-2559.08 1861.11,-2656.93 1932.26,-2728.08 2242.26,-2728.08 2326.26,-2644.08 R15.2@2326.26,-2392.88
NetP8_8: P8.8 R47.2 | length 129.6
  Top Layer w10: R47.2@1775.26,-1665.28 1810.46,-1630.08 P8.8@1890.26,-1630.08
NetQ1_2: Q1.2 R40.2 R41.2 | length 351.5
  Top Layer w10: Q1.2@659.26,-1560.08 659.26,-1513.08 678.26,-1494.08 794.07,-1494.08 R41.2@834.26,-1534.28 R40.2@939.26,-1534.28
NetR13_1: R13.1 U3.1 | length 856.5
  Top Layer w10: U3.1@2130.26,-860.08 2204.26,-934.08 2550.26,-934.08 2588.26,-972.08 2783.26,-972.08 2858.26,-1047.08 R13.1@2858.26,-1098.08
NetR14_1: R14.1 U3.3 | length 798.9
  Top Layer w10: U3.3@2330.26,-860.08 2385.26,-915.08 2558.26,-915.08 2596.26,-953.08 2933.26,-953.08 2963.26,-983.08 R14.1@2963.26,-1098.08
NetR18_1: R18.1 U3.5 | length 695.7
  Top Layer w10: U3.5@2530.26,-860.08 2604.26,-934.08 2978.26,-934.08 3009.26,-965.08 3036.26,-965.08 3068.26,-997.08 R18.1@3068.26,-1098.08
NetR20_1: R20.1 U3.7 | length 611.3
  Top Layer w10: U3.7@2730.26,-860.08 2784.29,-914.11 2985.79,-914.11 3017.76,-946.08 3140.26,-946.08 3173.26,-979.08 R20.1@3173.26,-1098.08
NetR21_1: R21.1 U4.1 | length 500.9
  Top Layer w10: U4.1@2960.26,-860.08 3027.26,-927.08 3251.26,-927.08 3278.26,-954.08 R21.1@3278.26,-1098.08
NetR22_1: R22.1 U4.3 | length 422.3
  Top Layer w10: U4.3@3160.26,-860.08 3208.26,-908.08 3365.26,-908.08 3383.26,-926.08 R22.1@3383.26,-1098.08
NetR31_1: R31.1 U7.1 | length 604.4
  Top Layer w10: U7.1@3866.26,-2145.08 3961.26,-2145.08 4080.46,-2025.88 R31.1@4080.46,-1685.08
NetR39_1: R39.1 U7.3 | length 489.5
  Top Layer w10: U7.3@3866.26,-1945.08 3927.26,-1945.08 4004.26,-1868.08 4004.26,-1656.28 R39.1@4080.46,-1580.08
NetR42_1: R42.1 U7.5 | length 407.3
  Top Layer w10: U7.5@3866.26,-1745.08 3949.26,-1745.08 3985.26,-1709.08 3985.26,-1570.28 R42.1@4080.46,-1475.08
NetR43_1: R43.1 U7.7 | length 332.5
  Top Layer w10: U7.7@3866.26,-1545.08 3983.59,-1545.08 4040.46,-1488.21 4040.46,-1410.08 R43.1@4080.46,-1370.08
NetR44_1: R44.1 U8.1 | length 235.8
  Top Layer w10: U8.1@3861.26,-1305.08 4040.46,-1305.08 R44.1@4080.46,-1265.08
NetR45_1: R45.1 U8.3 | length 242
  Top Layer w10: U8.3@3861.26,-1105.08 4025.46,-1105.08 R45.1@4080.46,-1160.08
NetR46_1: R46.1 U8.5 | length 312.8
  Top Layer w10: U8.5@3861.26,-905.08 3984.26,-905.08 4026.26,-947.08 4026.26,-1001.08 R46.1@4080.26,-1055.08
NetR48_1: R48.1 U8.7 | length 391.9
  Top Layer w10: U8.7@3861.26,-705.08 3957.26,-705.08 3994.26,-742.08 3994.26,-864.08 R48.1@4080.26,-950.08
PA1: P4.10 U1.15 | length 3700.7
  Top Layer w10: P4.10@1339.26,-3119.08 1408.26,-3188.08 1408.26,-3326.13 1717.22,-3635.08 2422.26,-3635.08 2513.26,-3544.08 2513.26,-3464.97 2608.26,-3369.97 2608.26,-3311.47 2689.26,-3230.47 2689.26,-2247.2 2652.14,-2210.08 2542.26,-2210.08 2456.26,-2124.08 2370.26,-2124.08 2274.26,-2028.08 2238.26,-2028.08 2195.26,-1985.08 2195.26,-1875.08 2235.31,-1835.03 U1.15@2290.74,-1835.03
PA2: P4.11 U1.16 | length 3625.3
  Top Layer w10: P4.11@1339.26,-3219.08 1389.26,-3269.08 1389.26,-3338.08 1705.26,-3654.08 2430.26,-3654.08 2532.26,-3552.08 2532.26,-3473.08 2627.26,-3378.08 2627.26,-3319.34 2708.26,-3238.34 2708.26,-2239.08 2659.42,-2190.23 2551.42,-2190.23 2463.26,-2102.08 2375.26,-2102.08 2281.26,-2008.08 2246.26,-2008.08 2214.26,-1976.08 2214.26,-1884.08 2243.63,-1854.72 U1.16@2290.74,-1854.72
PA3: P4.12 U1.17 | length 3380.5
  Top Layer w10: P4.12@1339.26,-3319.08 1693.26,-3673.08 2438.26,-3673.08 2551.26,-3560.08 2551.26,-3481.08 2646.26,-3386.08 2646.26,-3327.21 2727.26,-3246.21 2727.26,-2231.08 2667.26,-2171.08 2559.26,-2171.08 2471.26,-2083.08 2383.26,-2083.08 2360.63,-2060.44 U1.17@2360.63,-1924.6
PA4: P4.13 U1.20 | length 3310.4
  Top Layer w10: P4.13@1339.26,-3419.08 1612.26,-3692.08 2446.26,-3692.08 2570.26,-3568.08 2570.26,-3489.08 2665.26,-3394.08 2665.26,-3335.08 2746.26,-3254.08 2746.26,-2223.08 2672.26,-2149.08 2564.26,-2149.08 2419.68,-2004.5 U1.20@2419.68,-1924.6